# Altium PCB PCB_uinv.PcbDoc
Units mil, origin at the board's own origin, x right, y up, seen from the top; angles counter-clockwise.
Board outline 3500 x 6900 mil, 2 copper layers (Top Layer, Bottom Layer), stack 65.792 mil thick; 66 components, 23 nets, 251 pads, 21 vias.
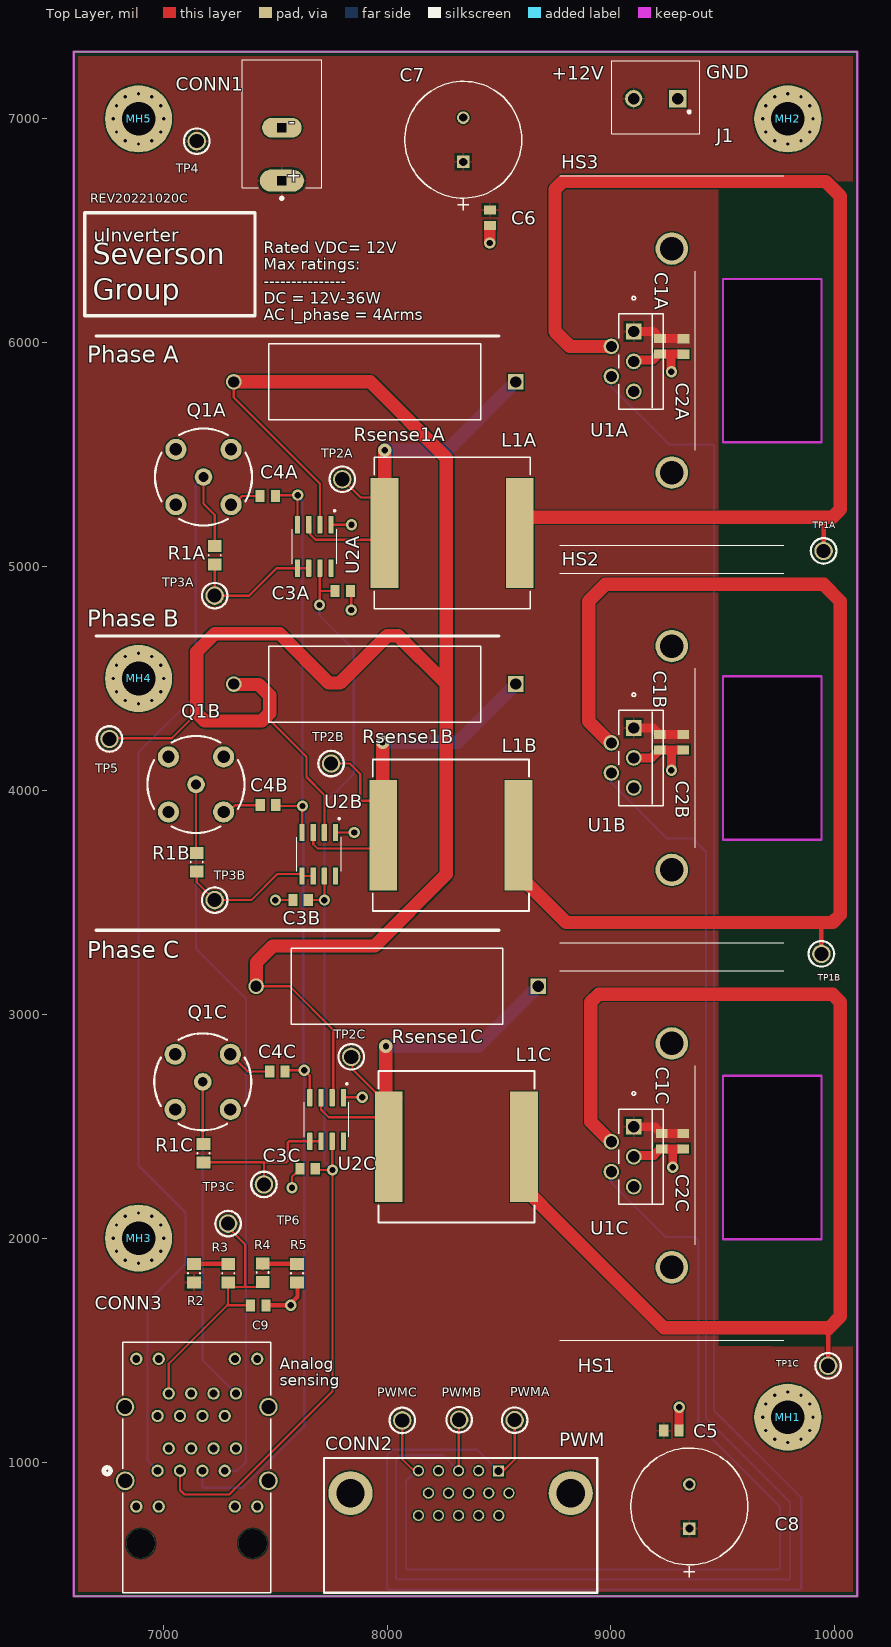
[diagram p0: Top Layer view]
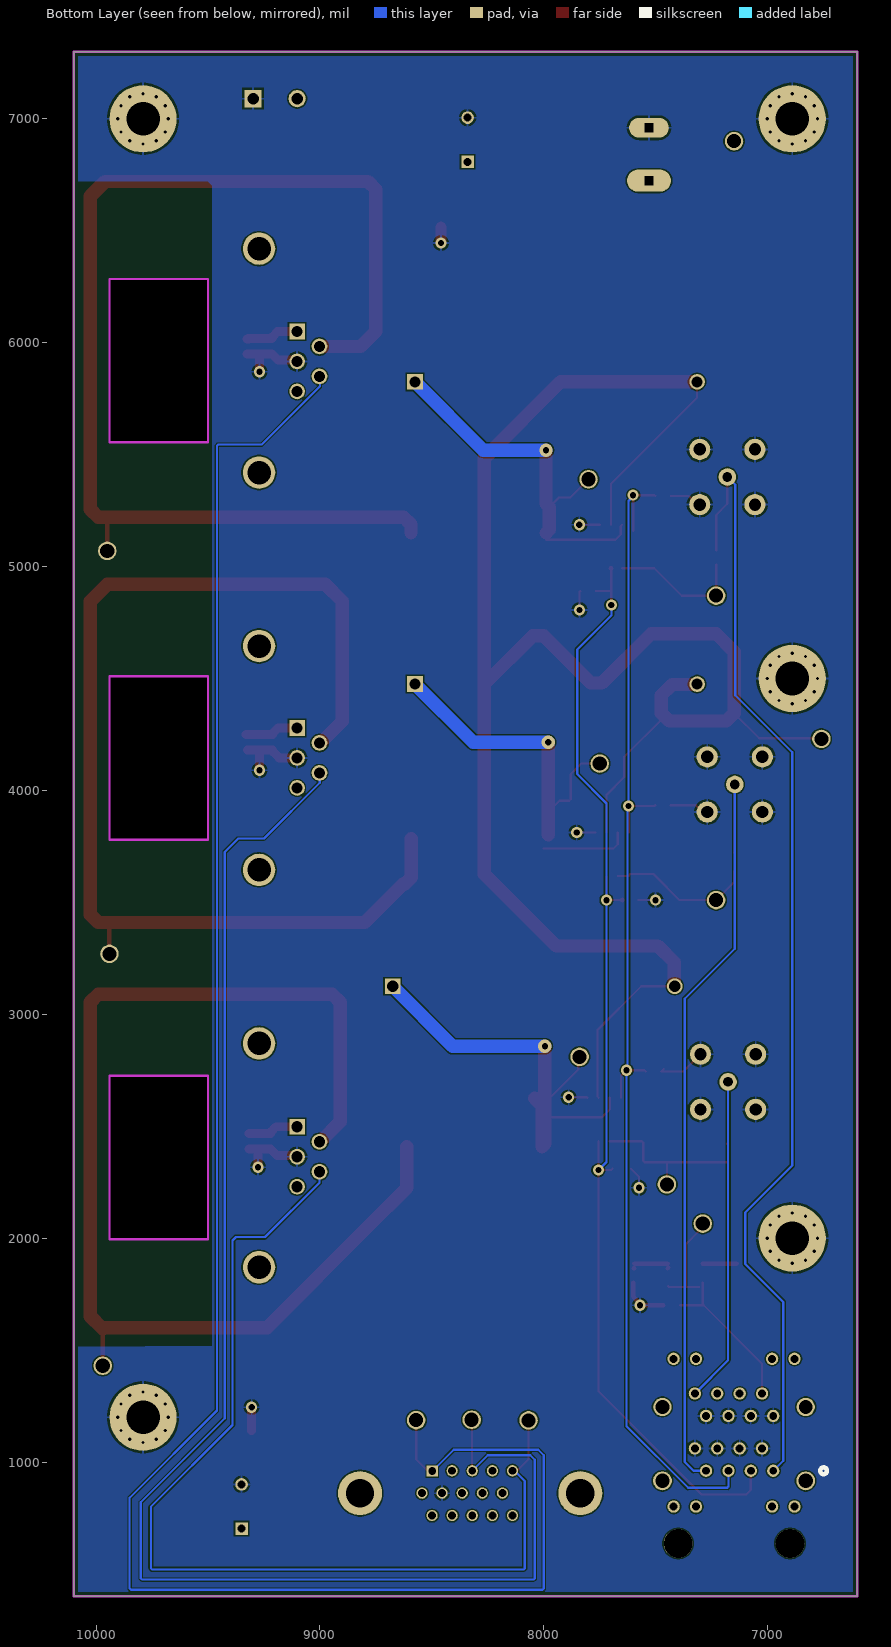
[diagram p1: Bottom Layer view, seen from below]
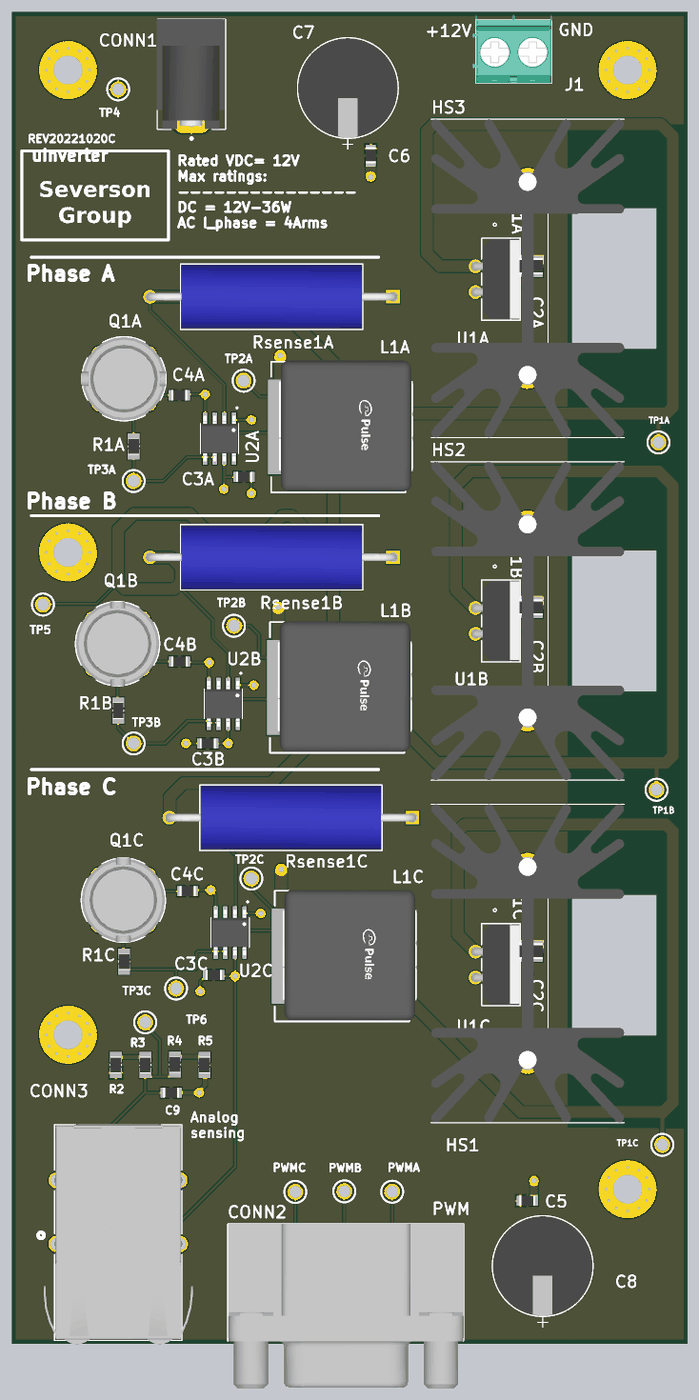
[diagram p2: 3D render of the assembled board from above, using the file's embedded part models]

## Layer stack, top to bottom
Top Solder: solder mask 0.4, Solder Resist, Dk 3.5
Top Layer: signal copper 1.4
Dielectric 1: dielectric 62.9921, FR-4, Dk 4.8
Bottom Layer: signal copper 1.4
Bottom Solder: solder mask 0.4, Solder Resist, Dk 3.5

## Board outline
6600,400 10100,400 10100,7300 6600,7300
cut-out: 9500,1995 9500,2725 9940,2725 9940,1995
cut-out: 9500,3780 9500,4510 9940,4510 9940,3780
cut-out: 9500,5555 9500,6285 9940,6285 9940,5555

## Design rules (kind name [scope] priority, off if disabled: settings)
BoardOutlineClearance [All] p1: gap=10 ignorepadtopadclearanceinfootprint=FALSE
Clearance [All] p1: gap=6 ignorepadtopadclearanceinfootprint=FALSE
Height [All] p1: minheight=0 maxheight=2000 prefheight=500
HoleSize [All] p1: absolutevalues=TRUE maxlimit=250 minlimit=14 maxpercent=80.000 minpercent=20.000
MinimumSolderMaskSliver [All] p1: minsoldermaskwidth=6
PolygonConnect [All] p1: connectstyle=Relief reliefconductorwidth=10 reliefentries=4 polygonreliefangle="90 Angle" airgapwidth=10
RoutingVias [All] p1: holewidth=14 width=34 viastyle="Through Hole" minholewidth=14 minwidth=28 maxholewidth=30 maxwidth=60
SolderMaskExpansion [All] p1: expansion=4 istentingtop=FALSE
Width [All] p1: maxlimit=100 minlimit=6 preferedwidth=10
27 further rules are at their usual default settings.

## Classes and differential pairs
component class U_Backpage: MH1 MH2 MH3 MH4 MH5 MH068_020 MH068_045 MH068_070 MH097_012 MH097_070 MH168_126 MH169_179 SCREW? STANDOFF?
channel class Half_bridge_load: U_Half_bridge_load2 U_Half_bridge_load3
component class uInverter: C5 C6 C7 C8 C9 C074_017 C083_068 C084_065 C092_011 C093_007 CONN1 CONN2 CONN3 CONN071_004 CONN075_067 CONN083_008 CONN177_026 HS1 HS2 HS3 HS092_023 HS092_041 HS092_059 HS239_060 HS239_104 HS239_150 J1 J092_070 J234_180 R2 R3 R4 R5 R074_018 R075_018 TP4 TP5 TP6 TP067_042 TP071_069 TP072_020
component class U_Half_bridge_load2: C1B C2B C3B C4B C083_068 C084_065 C092_011 C093_007 C216_173 L1B L082_038 PWM-A083_011 PWMB Q1B Q071_040 R1B R074_018 R210_165 Rsense1B Rsense085_044 TP1B TP2B TP3B TP071_069 TP072_020 TP077_041 TP177_175 U1B U2B U076_037 U091_042
component class U_Half_bridge_load1: 3 C1A C2A C3A C4A C075_027 C076_023 C092_024 C093_024 L1A L083_024 PWM-A080_011 PWMA Q1A Q071_026 R1A R071_023 Rsense1A Rsense086_031 TP1A TP2A TP3A TP5-VB TP074_022 TP078_028 TP086_019 U1A U2A U077_025 U091_024
component class U_Half_bridge_load3: C1C C2C C3C C4C C074_017 C074_053 C078_048 C093_059 L1C L082_051 PWM-A085_011 PWMC Q1C Q071_054 R1C R075_018 R207_165 Rsense1C Rsense085_058 TP1C TP2C TP3C TP072_048 TP078_053 TP086_061 TP174_090 U1C U2C U076_050 U091_060

## Components (designator, comment, footprint, x,y, rotation, side; value= is the part's Value field where it differs from the comment)
C1A "0.1uF" 0805_CAP 9220,5984 r270 top (schematic designator C1)
C1B "0.1uF" 0805_CAP 9218,4215.45 r270 top (schematic designator C1)
C1C "0.1uF" 0805_CAP 9227,2433 r270 top (schematic designator C1)
C2A "10uF" 0805_CAP 9325,5983 r270 top (schematic designator C2)
C2B "10uF" 0805_CAP 9323,4215.45 r270 top (schematic designator C2)
C2C "10uF" 0805_CAP 9323,2433 r270 top (schematic designator C2)
C3A "2.2uF" 0805_CAP 7802,4891 r0 top (schematic designator C3)
C3B "2.2uF" 0805_CAP 7614,3510 r180 top (schematic designator C3)
C3C "2.2uF" 0805_CAP 7645,2310 r180 top (schematic designator C3)
C4A "2.2uF" 0805_CAP 7467,5315 r180 top (schematic designator C4)
C4B "2.2uF" 0805_CAP 7468,3934 r180 top (schematic designator C4)
C4C "2.2uF" 0805_CAP 7510,2744 r180 top (schematic designator C4)
C5 "10uF" 0805_CAP 9270,1140 r0 top
C6 "10uF" 0805_CAP 8459,6558 r270 top
C7 "1000u" CAP_PAN_12.5X25_PAN 8340.32,6808 r90 top
C8 "1000u" CAP_PAN_12.5X25_PAN 9350,703 r90 top
C9 "0.1uF" 0805_CAP 7424.45,1700 r0 top
CONN1 "PJ-037AH" CUI_PJ-037AH 7530,6723.78 r90 top
CONN2 "ICD15S13E6GV00LF" ICD15S13E6GV00LF 8328.7,860.94 r0 top
CONN3 "RJSAE-5385-02" CONN_RJSAE538502_AMP 7150,415.94 r0 top
HS1 "529702B02500G" 530002 9271.89,2370 r90 top
HS2 "529702B02500G" 530002 9271.89,4145 r90 top
HS3 "529702B02500G" 530002 9271.89,5920 r90 top
J1 "1935161" PHOENIX_1935161 9200,7090 r180 top
L1A "100u" FP-PA4344_104NLT-MFG 8290.94,5150 r270 top (schematic designator L1)
L1B "100u" FP-PA4344_104NLT-MFG 8285,3800 r270 top (schematic designator L1)
L1C "100u" FP-PA4344_104NLT-MFG 8309.94,2408 r270 top (schematic designator L1)
MH1 "MOUNT_HOLE" MOUNTING_HOLE 9790,1200 r0 top
MH2 "MOUNT_HOLE" MOUNTING_HOLE 9790,7000 r0 top
MH3 "MOUNT_HOLE" MOUNTING_HOLE 6890,2000 r0 top
MH4 "MOUNT_HOLE" MOUNTING_HOLE 6890,4500 r0 top
MH5 "MOUNT_HOLE" MOUNTING_HOLE 6890,7000 r0 top
PWMA "Test Point" TP_1.6MM 8570,1187 r0 top (schematic designator PWM)
PWMB "Test Point" TP_1.6MM 8322,1189 r0 top (schematic designator PWM)
PWMC "Test Point" TP_1.6MM 8068,1186 r0 top (schematic designator PWM)
Q1A "5-1634503-1" 5-1634503-1 7180,5400 r90 top (schematic designator Q1)
Q1B "5-1634503-1" 5-1634503-1 7146.77,4026.77 r0 top (schematic designator Q1)
Q1C "5-1634503-1" 5-1634503-1 7176.77,2698.23 r0 top (schematic designator Q1)
R1A "1R" 0805_RES 7230,5050 r90 top (schematic designator R1)
R1B "1R" 0805_RES 7150,3680 r90 top (schematic designator R1)
R1C "1R" 0805_RES 7180,2380 r90 top (schematic designator R1)
R2 "2.2K" 0805_RES 7137.52,1843.66 r270 top
R3 "2.2K" 0805_RES 7290.85,1843.66 r90 top
R4 "1.1K" 0805_RES 7444.19,1846.34 r270 top
R5 "1.1K" 0805_RES 7597.52,1843.66 r90 top
Rsense1A "150m" RES_15_OHM 8575,5825 r180 top (schematic designator Rsense1)
Rsense1B "150m" RES_15_OHM 8575,4475 r180 top (schematic designator Rsense1)
Rsense1C "150m" RES_15_OHM 8675,3125 r180 top (schematic designator Rsense1)
TP1A "Test Point" TP_1.6MM 9950,5070 r0 top (schematic designator TP1)
TP1B "Test Point" TP_1.6MM 9940,3270 r0 top (schematic designator TP1)
TP1C "Test Point" TP_1.6MM 9970,1430 r0 top (schematic designator TP1)
TP2A "Test Point" TP_1.6MM 7800,5390 r0 top (schematic designator TP2)
TP2B "Test Point" TP_1.6MM 7750,4120 r0 top (schematic designator TP2)
TP2C "Test Point" TP_1.6MM 7840,2810 r0 top (schematic designator TP2)
TP3A "Test Point" TP_1.6MM 7230,4870 r180 top (schematic designator TP3)
TP3B "Test Point" TP_1.6MM 7230,3510 r180 top (schematic designator TP3)
TP3C "Test Point" TP_1.6MM 7450,2240 r180 top (schematic designator TP3)
TP4 "Test Point" TP_1.6MM 7150,6900 r0 top
TP5 "Test Point" TP_1.6MM 6760,4230 r0 top
TP6 "Test Point" TP_1.6MM 7290,2065 r180 top
U1A "IXDN614CI" IXYS_TO-220-5_IXY 9101.89,6050 r270 top (schematic designator U1)
U1B "IXDN614CI" IXYS_TO-220-5_IXY 9101.89,4278.86 r270 top (schematic designator U1)
U1C "IXDN614CI" IXYS_TO-220-5_IXY 9101.89,2497.72 r270 top (schematic designator U1)
U2A "INA143U" SOIC127P599X175-8N 7675,5090 r270 top (schematic designator U2)
U2B "INA143U" SOIC127P599X175-8N 7695,3715 r270 top (schematic designator U2)
U2C "INA143U" SOIC127P599X175-8N 7730,2530 r270 top (schematic designator U2)

## Footprints (in the part's own frame and the unit in brackets; to place one, negate y for a bottom-side part, rotate by r counter-clockwise, add the part's x,y. Pads: shape width x height; smd on the part's side, far side on the other; paste and mask are expansions set on the pad)
5-1634503-1 [mm] "CONN BNC JACK STR 50 OHM PCB"
  round 2 hole 1.1: 1(0,0)
  round 2.4 hole 1.4: 2(-3.13,3.13) 2(-3.13,-3.13) 2(3.13,3.13) 2(3.13,-3.13)
  silkscreen extent -5.5,-5.5 5.5,5.5, body extent -5.5,-5.51 5.5,5.51, height 13.7
0805_CAP [mm] "Chip Cap, SMD 0805"
  rect 1.05x1.35 smd: 1(-0.875,0) 2(0.875,0)
  body extent -1.05,-0.67 1.05,0.67, height 0.85
0805_RES [mm] "Chip Resistor, SMD 0805"
  rect 1.35x1.55 smd: 1(-1.05,0) 2(1.05,0)
  silkscreen extent -0.05,-0.67 0.05,0.67, body extent -1.1,-0.7 1.1,0.7, height 0.85
530002 [mil]
  round 145 hole 105: P$1(500,0) P$2(-500,0)
  silkscreen extent -825,-500 825,500, body extent -825,-500 825,500, height 1500
CAP_PAN_12.5X25_PAN [mil]
  rect 56x56 hole 36 mask+0: 1(0,0)
  round 56 hole 36 mask+0: 2(197,0)
  silkscreen extent -218,-261 359,261, body extent -158,-256 355,256, height 1064
CONN_RJSAE538502_AMP [mil]
  round 55 hole 35: 1A(-175,545) 1B(175,890) 2A(-125,645) 2B(125,790) 3A(-75,545) 3B(75,890) 4A(-25,645) 4B(25,790) 5A(25,545) 5B(-25,890) 6A(75,645) 6B(-75,790) 7A(125,545) 7B(-125,890) 8A(175,645) 8B(-175,790) 9(270,385) 10(170,385) 11(-170,385) 12(-270,385) 21(270,1045) 22(170,1045) 23(-170,1045) 24(-270,1045)
  round 84 hole 64: 25(-320,500) 26(320,500)
  round 82 hole 62: 27(-320,830) 28(320,830)
  round 128 hole 128 unplated: 29(-250,220) 30(250,220)
  silkscreen extent -415,0 330,1118, body extent -386,-19 388,1122, height 1067
CUI_PJ-037AH [mm]
  oval 2.5x5 hole 1 square: 1(0,0)
  oval 2.25x4.5 hole 1 square: 2(6,0)
  silkscreen extent -2.15,-4.5 13.7,4.5, body extent -0.77,-4.43 13.73,4.57, height 11.5
FP-PA4344_104NLT-MFG [mm]
  rect 12.5x3.15 smd paste+0 mask+0: 1(0,7.675) 2(0,-7.675)
  silkscreen extent -8.6,-8.85 8.6,8.85, body extent -8.83,-8.33 8.57,10.37, height 0.25
ICD15S13E6GV00LF [mm] "CONN DSUB HD RCPT 15POS R/A SLDR"
  rect 1.27x1.27 hole 0.9: 1(4.305,2.5)
  round 1.27 hole 0.9: 2(2.045,2.54) 3(-0.235,2.54) 4(-2.515,2.54) 5(-4.795,2.54) 6(5.465,0) 7(3.185,0) 8(0.905,0) 9(-1.375,0) 10(-3.655,0) 11(4.325,-2.54) 12(2.045,-2.54) 13(-0.235,-2.54) 14(-2.515,-2.54) 15(-4.795,-2.54)
  round 5 hole 3.2: SH1(12.495,0) SH2(-12.495,0)
  silkscreen extent -15.5,-11.3 15.5,4, body extent -15.45,-17.55 15.55,4.08, height 12.55
IXYS_TO-220-5_IXY [mil]
  rect 70x70 hole 50 mask+0: 1(0,0)
  round 70 hole 50 mask+0: 2(66.93,-100) 3(133.86,0) 4(200.79,-100) 5(267.72,0)
  silkscreen extent -157,-68 346,132, body extent -74,-120 341,127, height 837
MOUNTING_HOLE [mil]
  round 30 hole 15: 1(-112.5,0) 1(-98.43,-59.06) 1(-98.43,59.06) 1(-59.06,-98.43) 1(-59.06,98.43) 1(0,-112.5) 1(0,112.5) 1(59.06,-98.43) 1(59.06,98.43) 1(98.43,-59.06) 1(98.43,59.06) 1(112.5,0)
  round 300 hole 150: 1(0,0)
PHOENIX_1935161 [mm]
  rect 1.95x1.95 hole 1.3: 1(-2.5,0)
  round 1.95 hole 1.3: 2(2.5,0)
  silkscreen extent -5,-4.3 5,4, body extent -5,-5 5.4,4, height 11.45
RES_15_OHM [mil]
  rect 70x70 hole 50 mask+0: 1(0,0)
  round 70 hole 50 mask+0: 2(1260,0)
  silkscreen extent 157,-170 1102,170, body extent -20,-165 1280,165, height 330
SOIC127P599X175-8N [mm]
  rrect25% 1.97x0.6 smd: 1(-2.47,1.905) 2(-2.47,0.635) 3(-2.47,-0.635) 4(-2.47,-1.905) 5(2.47,-1.905) 6(2.47,-0.635) 7(2.47,0.635) 8(2.47,1.905)
  silkscreen extent -4.14,-2.52 1.95,2.52, body extent -3,-2.45 3,2.45, height 1.75
TP_1.6MM [mm]
  round 2.1 hole 1.6: 1(0,0)
  silkscreen extent -1.45,-1.45 1.45,1.45, body extent -1.52,-1.51 1.52,1.53, height 5

## Part data
C1A C1B C1C: library part C0805C104K6RACTU, "Cap Ceramic 0.1uF 35V X7R 10% SMD 0805", Capacitance=100nF, Case/Package=0805, Dielectric=X7R, Dielectric Material=Ceramic, Manufacturer=KEMET, Max Operating Temperature=125°C, Min Operating Temperature=-55°C, Supplier Part Number 1=399-17618-1-ND, Tolerance=10%, Voltage Rating (DC)=35V, Category="Ceramic Capacitors", ComponentLink1Description=http://www.kemet.com/kemet/web/homepage/kechome.nsf/weben/C4DA2DA1D1C9D3C3CA2570A50016092D/$file/KEM_C1002_X7R_SMD.pdf?src-supplier=Avnet, ComponentLink1URL=http://www.kemet.com/kemet/web/homepage/kechome.nsf/weben/C4DA2DA1D1C9D3C3CA2570A50016092D/$file/KEM_C1002_X7R_SMD.pdf?src-supplier=Avnet, ComponentLink2Description=https://api.kemet.com/component-edge/download/datasheet/C0805C104K6RAC7800.pdf?src-supplier=Digi-Key, ComponentLink2URL=https://api.kemet.com/component-edge/download/datasheet/C0805C104K6RAC7800.pdf?src-supplier=Digi-Key, Construction=Flat, Depth=1.25mm, Height=0.9mm, Length=2mm, Manufacturer Part Number=C0805C104K6RACTU, Mount="Surface Mount", Packaging="Tape and Reel", Pricing 1="1=0.48000, 10=0.33000, 50=0.23100, 100=0.19800, 500=0.14850, 1000=0.12540 (USD)", Radiation Hardening=No, RoHS=Yes, RoHS Compliant=Yes, Stock 1=8542, Supplier 1=Digi-Key
C2A C2B C2C C5 C6: library part GRM21BR6YA106KE43L, "0805 35 V 10 uF ±10% Tolerance X5R Multilayer Ceramic Capacitor", Case Code (Imperial)=0805, Case Code (Metric)=2012, Dielectric=X5R, Manufacturer=Murata, Max Operating Temperature=85°C, Min Operating Temperature=-55°C, Package Quantity=3000, Supplier Part Number 1=490-10514-2-ND, Tolerance=10%, Voltage Rating=35V, Capacitance=10uF, Case/Package=0805, Category="Ceramic Capacitors", ComponentLink1Description=http://www.farnell.com/datasheets/2079187.pdf?src-supplier=Farnell, ComponentLink1URL=http://www.farnell.com/datasheets/2079187.pdf?src-supplier=Farnell, ComponentLink2Description=http://www.mouser.com/ds/2/281/c02e-2905.pdf?src-supplier=Mouser, ComponentLink2URL=http://www.mouser.com/ds/2/281/c02e-2905.pdf?src-supplier=Mouser, ComponentLink3Description=http://www.farnell.com/datasheets/2079187.pdf?src-supplier=Element14, ComponentLink3URL=http://www.farnell.com/datasheets/2079187.pdf?src-supplier=Element14, ComponentLink4Description=http://search.murata.co.jp/Ceramy/image/img/A01X/G101/ENG/GRM21BR6YA106KE43-01.pdf?src-supplier=Digi-Key, ComponentLink4URL=http://search.murata.co.jp/Ceramy/image/img/A01X/G101/ENG/GRM21BR6YA106KE43-01.pdf?src-supplier=Digi-Key, ComponentLink5Description=http://search.murata.co.jp/Ceramy/image/img/A01X/partnumbering_e_01.pdf?src-supplier=Digi-Key, ComponentLink5URL=http://search.murata.co.jp/Ceramy/image/img/A01X/partnumbering_e_01.pdf?src-supplier=Digi-Key, ComponentLink6Description=http://www.farnell.com/datasheets/2079187.pdf?src-supplier=Newark, ComponentLink6URL=http://www.farnell.com/datasheets/2079187.pdf?src-supplier=Newark, Height=1.25mm, Lead Free="Lead Free", Length=0.079inch, Manufacturer Part Number=GRM21BR6YA106KE43L, Mount="Surface Mount", Packaging="Tape and Reel", Pricing 1="3000=0.12929, 6000=0.12211, 9000=0.11493, 15000=0.11134, 30000=0.10775, 75000=0.10056 (USD)", REACH SVHC="No SVHC", RoHS=Yes, RoHS Compliant=Yes, Stock 1=12398, Supplier 1=Digi-Key, Termination=SMD/SMT, Thickness=0.057inch, Voltage Rating (DC)=35V, Weight=0.000335oz, Width=0.049inch
C3A C3B C3C C4A C4B C4C: library part C2012X7R1V225K125AB, "2.2 µF ±10% 35V Ceramic Capacitor X7R 0805", Case Code (Imperial)=0805, Case Code (Metric)=2012, Dielectric=X7R, Dielectric Material=Ceramic, Manufacturer=TDK, Max Operating Temperature=125°C, Min Operating Temperature=-55°C, Package Quantity=1, Supplier Part Number 1=445-7551-1-ND, Tolerance=10%, Voltage Rating=35V, Capacitance=2.2uF, Case/Package=0805, Category="Ceramic Capacitors", ComponentLink1Description=https://datasheet.ciiva.com/6286/tdkmlcccaprange-6286902.pdf?src-supplier=Digi-Key, ComponentLink1URL=https://datasheet.ciiva.com/6286/tdkmlcccaprange-6286902.pdf?src-supplier=Digi-Key, ComponentLink2Description=https://datasheet.ciiva.com/6286/tdkmlcccaprange-6286904.pdf?src-supplier=Digi-Key, ComponentLink2URL=https://datasheet.ciiva.com/6286/tdkmlcccaprange-6286904.pdf?src-supplier=Digi-Key, ComponentLink3Description=https://datasheet.ciiva.com/6286/tdkmlcccaprange-6286906.pdf?src-supplier=Digi-Key, ComponentLink3URL=https://datasheet.ciiva.com/6286/tdkmlcccaprange-6286906.pdf?src-supplier=Digi-Key, Construction=Flat, Depth=1.25mm, Height=1.25mm, Lead Free="Lead Free", Length=2mm, Manufacturer Part Number=C2012X7R1V225K125AB, Mount="Surface Mount", Packaging="Tape and Reel", Pricing 1="1=0.64000, 10=0.45100, 50=0.34100, 100=0.29700, 500=0.22000, 1000=0.18700 (USD)", RoHS=Yes, RoHS Compliant=Yes, Series=C, Stock 1=1992, Supplier 1=Digi-Key, Termination=SMD/SMT, Thickness=0.057inch, Voltage Rating (DC)=35V, Weight=0.000194oz, Width=0.049inch
C7 C8: library part EEU-FM1V102B, "Cap Aluminum 1000uF 35V 20% (12.5 X 25mm) Radial 5mm 3190mA 7000 hr 105C Ammo Pack", Capacitance=1mF, Case/Package=Radial, ESR (Equivalent Series Resistance)=15mR, Manufacturer=Panasonic, Max Operating Temperature=105°C, Min Operating Temperature=-40°C, Package Quantity=500, Ripple Current=3.19A, Supplier Part Number 1=P19719CT-ND, Tolerance=20%, Voltage Rating=35V, Category="Aluminum Electrolytic Capacitors", ComponentLink1Description=https://datasheet.ciiva.com/11676/aba0000ce108-11676917.pdf?src-supplier=Avnet, ComponentLink1URL=https://datasheet.ciiva.com/11676/aba0000ce108-11676917.pdf?src-supplier=Avnet, Construction=RADIAL, Diameter=12mm, Height=25mm, Height - Seated (Max)=1.063inch, Impedance=15mR, Lead Diameter=0.6mm, Lead Free="Lead Free", Lead Pitch=5mm, Length=25mm, Life (Hours)=7000Hour, Manufacturer Part Number=EEU-FM1V102B, Mount="Through Hole", Packaging="Tape and Reel", Polarity=Polar, Pricing 1="1=1.11000, 10=0.84300, 50=0.70060, 100=0.60330 (USD)", Radiation Hardening=No, RoHS=Yes, RoHS Compliant=Yes, Series=FM, Stock 1=691, Supplier 1=Digi-Key, Termination=Radial, Voltage Rating (DC)=35V
C9: library part CC0805KRX7R7BB104, "Capacitor 0.1uF 16V 0805 SMD X7R", Capacitance=100nF, Case Code (Imperial)=0805, Case Code (Metric)=2012, Dielectric=X7R, Insulation Resistance=100GR, Manufacturer=Yageo, Max Operating Temperature=125°C, Min Operating Temperature=-55°C, Package Quantity=1, Resistor Type=Ceramic, Supplier Part Number 1=311-1142-1-ND, Tolerance=10%, Voltage=16V, Case/Package=0805, Category="Ceramic Capacitors", ComponentLink1Description=https://datasheet.ciiva.com/11786/0900766b80d84f1d-11786102.pdf?src-supplier=RSComponents, ComponentLink1URL=https://datasheet.ciiva.com/11786/0900766b80d84f1d-11786102.pdf?src-supplier=RSComponents, ComponentLink2Description=https://datasheet.ciiva.com/8034/1784427-8034017.pdf?src-supplier=Element14, ComponentLink2URL=https://datasheet.ciiva.com/8034/1784427-8034017.pdf?src-supplier=Element14, ComponentLink3Description=https://datasheet.ciiva.com/144/mlccorderingcode-144998.pdf?src-supplier=Digi-Key, ComponentLink3URL=https://datasheet.ciiva.com/144/mlccorderingcode-144998.pdf?src-supplier=Digi-Key, ComponentLink4Description=https://datasheet.ciiva.com/144/mlccorderingcode-144999.pdf?src-supplier=Digi-Key, ComponentLink4URL=https://datasheet.ciiva.com/144/mlccorderingcode-144999.pdf?src-supplier=Digi-Key, ComponentLink5Description=https://datasheet.ciiva.com/145/mlccorderingcode-145000.pdf?src-supplier=Digi-Key, ComponentLink5URL=https://datasheet.ciiva.com/145/mlccorderingcode-145000.pdf?src-supplier=Digi-Key, ComponentLink6Description=https://datasheet.ciiva.com/11465/upy-gphc-x7r-6-3v-to-50v-8-11465289.pdf?src-supplier=Avnet, ComponentLink6URL=https://datasheet.ciiva.com/11465/upy-gphc-x7r-6-3v-to-50v-8-11465289.pdf?src-supplier=Avnet, ComponentLink7Description=https://datasheet.ciiva.com/17436/upy-gphc-x7r-6-3v-to-50v-8-17436617.pdf?src-supplier=Avnet+Europe, ComponentLink7URL=https://datasheet.ciiva.com/17436/upy-gphc-x7r-6-3v-to-50v-8-17436617.pdf?src-supplier=Avnet+Europe, ComponentLink8Description=https://datasheet.ciiva.com/8034/1784427-8034015.pdf?src-supplier=Element14, ComponentLink8URL=https://datasheet.ciiva.com/8034/1784427-8034015.pdf?src-supplier=Element14, ComponentLink9Description=https://datasheet.ciiva.com/15189/getdatasheetpartid-314877-15189221.pdf?src-supplier=Verical, ComponentLink9URL=https://datasheet.ciiva.com/15189/getdatasheetpartid-314877-15189221.pdf?src-supplier=Verical, ComponentLink10Description=https://datasheet.ciiva.com/7978/1489800-7978204.pdf?src-supplier=Element14, ComponentLink10URL=https://datasheet.ciiva.com/7978/1489800-7978204.pdf?src-supplier=Element14, Depth=1.25mm, Halogen Free="Halogen Free", Height=0.85mm, Lead Free="Lead Free", Length=2mm, Manufacturer Part Number=CC0805KRX7R7BB104, Mount="Surface Mount", Number of Pins=2, Packaging="Tape and Reel", Pricing 1="1=0.12000, 10=0.08400, 50=0.04760, 100=0.03950, 500=0.02768, 1000=0.02291 (USD)", Radiation Hardening=No, REACH SVHC="No SVHC", RoHS=Yes, RoHS Compliant=Yes, Series=CC, Stock 1=1440, Supplier 1=Digi-Key, Termination=SMD/SMT, Thickness=0.033inch, Voltage Rating=16V, Voltage Rating (DC)=16V, Width=0.049inch
CONN1: "CONN PWR JACK 2X5.5MM SOLDER", Color=Black, Current Rating=5A, Flammability Rating="UL94 V-0", Insulation Resistance=100MR, Manufacturer=CUI, Max Operating Temperature=85°C, Min Operating Temperature=-25°C, Package Quantity=500, Supplier Part Number 1=CP-037AH-ND, Voltage Rating=24V, Category=Connectors, ComponentLink1Description=http://www.mouser.com/ds/2/670/pj-037ah-516064.pdf?src-supplier=Mouser, ComponentLink1URL=http://www.mouser.com/ds/2/670/pj-037ah-516064.pdf?src-supplier=Mouser, ComponentLink2Description=https://www.cui.com/product/resource/digikeypdf/pj-037ah.pdf?src-supplier=Digi-Key, ComponentLink2URL=https://www.cui.com/product/resource/digikeypdf/pj-037ah.pdf?src-supplier=Digi-Key, Connector Type=Jack, Contact Gender=Male, Contact Material=Copper, Contact Plating=Nickel, Gender=Male, Housing Color=Black, Housing Material=Thermoplastic, Lead Free="Lead Free", Manufacturer Part Number=PJ-037AH, Mount="Through Hole", Number of Conductors=2, Orientation=Horizontal, Pricing 1="1=0.71000, 10=0.66600, 25=0.59920, 50=0.53280, 100=0.51060, 250=0.46620, 500=0.44400, 1000=0.36630, 2500=0.33300 (USD)", RoHS=Yes, RoHS Compliant=Yes, Series=-, Shielding=Unshielded, Stock 1=11304, Supplier 1=Digi-Key, Termination=Solder
CONN2: "Conn High Density D-Sub SKT 15 POS 2.28mm Solder RA Thru-Hole 15 Terminal 1 Port", Case/Package=Metal, Color=Black, Current Rating=3A, Flammability Rating="UL94 V-0", Manufacturer="Amphenol FCI", Max Operating Temperature=125°C, Max Supply Voltage (AC)=300V, Min Operating Temperature=-55°C, Package Quantity=100, Supplier Part Number 1=609-2802-ND, Body Material=Metal,Steel, Category="D-Sub Connectors", ComponentLink1Description=https://datasheet.ciiva.com/22727/1728476-22727809.pdf?src-supplier=Element14, ComponentLink1URL=https://datasheet.ciiva.com/22727/1728476-22727809.pdf?src-supplier=Element14, ComponentLink2Description=https://datasheet.ciiva.com/652/c-cd-0011-652471.pdf?src-supplier=Digi-Key, ComponentLink2URL=https://datasheet.ciiva.com/652/c-cd-0011-652471.pdf?src-supplier=Digi-Key, ComponentLink3Description=https://datasheet.ciiva.com/8058/1728476-8058812.pdf?src-supplier=Element14, ComponentLink3URL=https://datasheet.ciiva.com/8058/1728476-8058812.pdf?src-supplier=Element14, Connector Type=D-Sub,Receptacle,Signal, Contact Material="Copper Alloy", Contact Plating=Gold,Tin,Matte, Depth=21.7mm, Gender=Female, Housing Color=Black, Housing Material=Steel, Lead Free="Lead Free", Length=30.81mm, Manufacturer Part Number=ICD15S13E6GV00LF, Mating Cycles=500, Max Voltage Rating (AC)=300V, Mount="Through Hole", Number of Contacts=15, Number of Ports=1, Number of Positions=15, Number of Rows=3, Number of Terminals/Pins=15, Orientation="Right Angle", Packaging=Bulk, Pitch=2.28mm, Plating=Bright,Tin,Steel,Chrome, Pricing 1="1=2.28000, 10=2.06800, 25=1.94120, 50=1.85680, 100=1.77230, 250=1.60352, 500=1.47692, 1000=1.26593, 2500=1.18154 (USD)", Radiation Hardening=No, REACH SVHC="No SVHC", RoHS=Yes, Stock 1=3485, Supplier 1=Digi-Key, Termination=Solder, Voltage Rating=300V, Width=12.58mm